# KiCad board sss-opr3-v1 (1).kicad_pcb (continued)
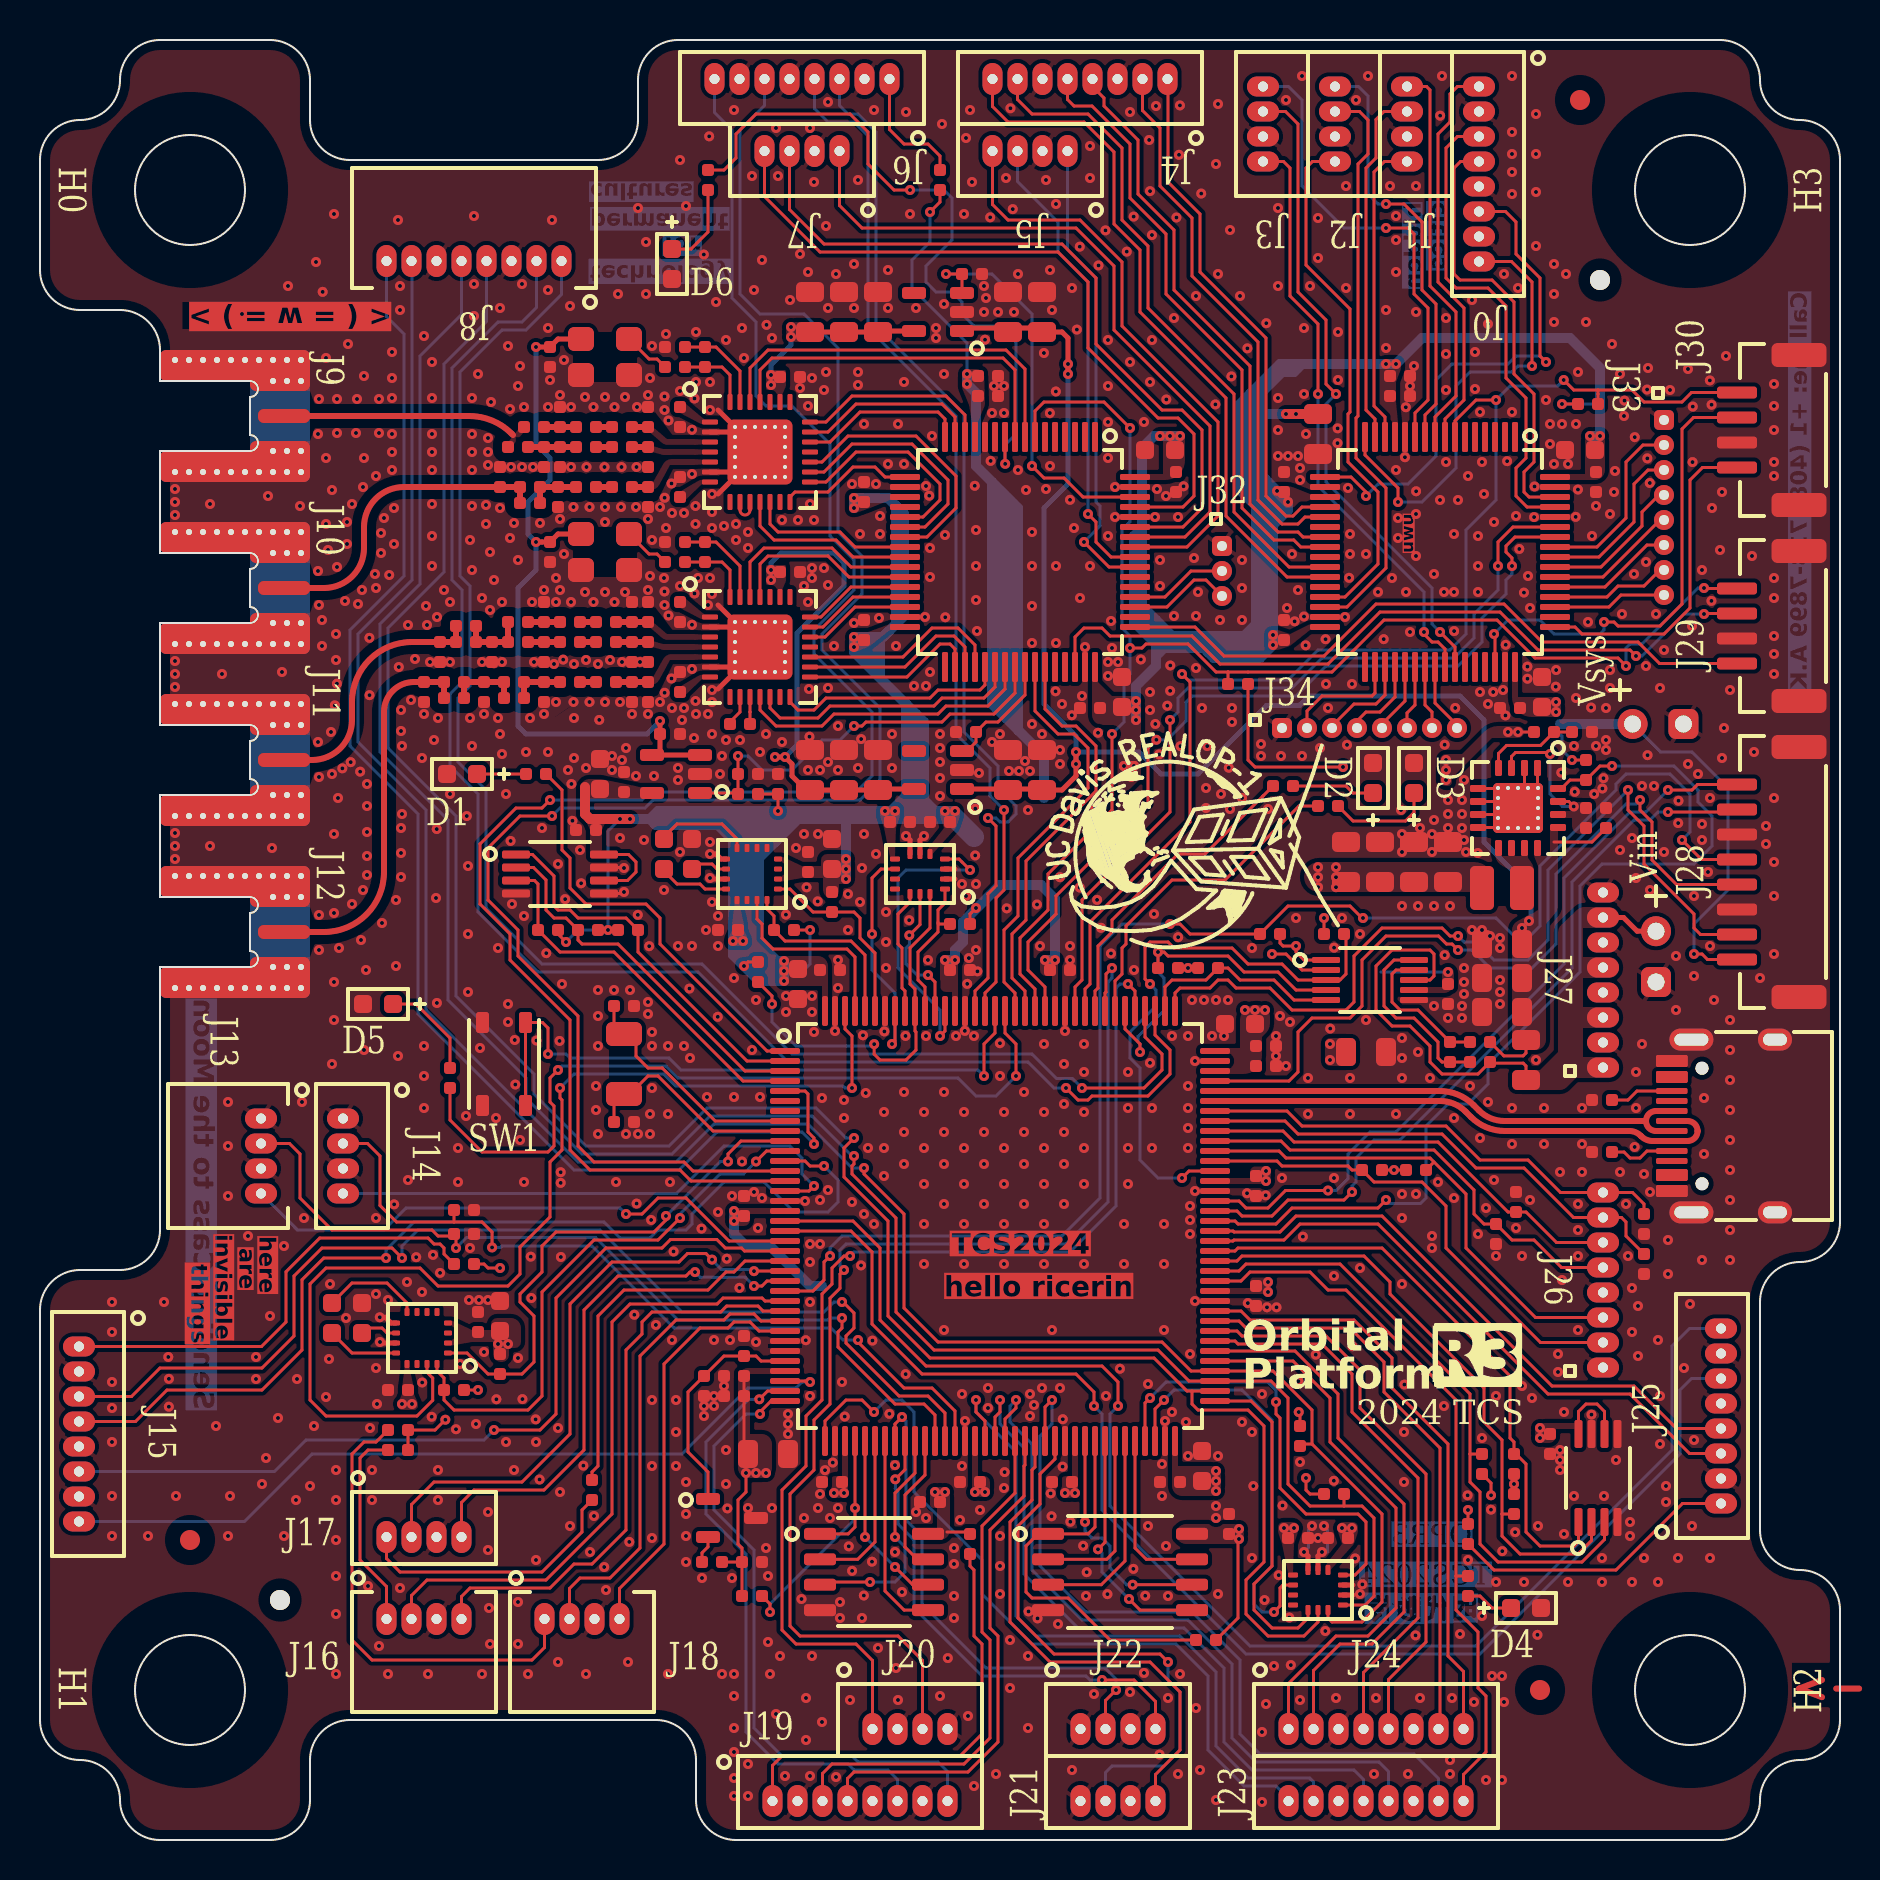
[diagram p0: board, top side]
## Placement (name value [footprint] x y rotation side) (continued)
U6  LP5907MFX-3.3  [Yu-SOT-23-5]  44.9 76.4 180 top
U7  STM32L431RCTx  [Yu-QFP-64-10x10-0.5]  70 64.4 270 top
U8  QMC5883L  [Yu-LGA-16-3x3-0.5]  19.1 25.1 180 top
U9  W25Q128JVS  [Yu-SOP-8-5.23x5.23-1.27]  54 13.4 0 top
U10  AX5043  [Yu-QFN-28-5x5-0.5-EP-3.25x3.25]  36 69.4 0 top
U11  STM32L431RCTx  [Yu-QFP-64-10x10-0.5]  49 64.4 270 top
U12  INA226  [Yu-SOP-10-3x3-0.5]  66.5 43 0 top
U13  AZ431L  [Yu-SOT-23-3]  34.6 16.1 0 top
U14  MB85RS256B  [Yu-SOP-8-5x3.9-1.27]  41.7 13.4 0 top
U15  AX5043  [Yu-QFN-28-5x5-0.5-EP-3.25x3.25]  36 59.65 0 top
U16  LMV321  [Yu-SOT-23-5]  31.8 53.3 180 top
U17  LP5907MFX-3.3  [Yu-SOT-23-5]  44.9 53.5 180 top
U18  TMP275  [Yu-SOP-8-3x3-0.65]  77.9 18.1 90 top
U19  TMP275  [Yu-SOP-8-3x3-0.65]  26 48.3 0 top
Y1  XO3215  [Yu-XO3215]  29.2 38.8 270 top
Y2  26MHz  [Yu-XO3225]  28.25 74.15 0 top
Y3  26MHz  [Yu-XO3225]  28.25 64.4 0 top

## Library data of the parts
C1-C3 C5 C6 C31 C34-C41 C62 C106-C110 = -: Description: Unpolarized capacitor, small symbol; Part: CL21A226MAQNNNE; ki_fp_filters: C_*
C4 C7-C9 C12 C13 C15-C19 C21-C30 C32 C33 C42-C61 C63-C105 C111-C120 = -: Description: Unpolarized capacitor, small symbol; ki_fp_filters: C_*
C10 C11 C14 C20 = -: ki_fp_filters: C_*
D1-D6 = -: Description: LED; ki_fp_filters: D*SMA*
J0-J8 J13-J30 J32-J34 J36 J37 = -: ki_fp_filters: Connector*:*_1x??-1MP*
J9-J12 = -: ki_fp_filters: *BNC* *SMA* *SMB* *SMC* *Cinch* *LEMO* *UMRF* *MCX* *U.FL*
J38 = -: Datasheet: https://www.usb.org/sites/default/files/documents/usb_type-c.zip; Description: USB 2.0-only 16P Type-C Receptacle connector; ki_fp_filters: USB*C*Receptacle*
L1-L3 L5 L6 L9 L10 L12-L23 = -: Description: Inductor, small symbol; ki_fp_filters: Choke_* *Coil* Inductor_* L_*
L4 L8 L11 = -: ki_fp_filters: Choke_* *Coil* Inductor_* L_*
R1-R59 = -: Description: Resistor, small symbol; ki_fp_filters: R_*
SW1 = -: Description: Single Pole Single Throw (SPST) switch
U1 = -: Datasheet: https://www.analog.com/media/en/technical-documentation/data-sheets/ADP2118.pdf; Description: Buck, 2.3 to 5.5 Vin, 3 A, 600 kHz or 1.2 MHz, 0.6 Vfb
U2 = -: Datasheet: https://www.st.com/resource/en/datasheet/stm32l476zg.pdf; Description: MCU, Cortex-M4 80 MHz, 1 MiB flash, 128 kB SRAM; ki_fp_filters: QFN*1EP*7x7mm*P0.5mm*
U3 U5 = -: Description: Sensor, IMU
U4 U8 = -: Description: Sensor, Magnetometer
U6 U17 = -: Datasheet: http://www.ti.com/lit/ds/symlink/lp5907.pdf; Description: 250-mA Ultra-Low-Noise Low-IQ LDO, 3.3V, SOT-23; ki_fp_filters: SOT?23*
U7 U11 = -: Datasheet: https://www.st.com/resource/en/datasheet/stm32l431rc.pdf; Description: MCU, Cortex-M4 80 MHz, 256 kB flash, 64 kB SRAM; ki_fp_filters: QFN*1EP*7x7mm*P0.5mm*
U9 = -: Description: Memory, NAND Flash, QSPI; ki_fp_filters: WSON*1EP*6x5mm*P1.27mm*
U10 U15 = -: Datasheet: https://www.onsemi.com/pub/Collateral/AX5043-D.PDF; Description: Radio, ISM narrowband
U12 = -: Datasheet: https://www.ti.com/lit/ds/symlink/ina226.pdf; Description: Sensor, VI, High/low shunt, Offset ±10 µV max, Gain error 0.1% max
U13 = -: Datasheet: https://www.diodes.com/assets/Datasheets/AZ431L.pdf; Description: Voltage reference, Low voltage Zener, 1.24 V
U14 = -: Description: Memory, FRAM, SPI; ki_fp_filters: WSON*1EP*6x5mm*P1.27mm*
U16 = -: Datasheet: http://www.ti.com/lit/ds/symlink/lmv324.pdf; Description: Opamp, 5V, RRO; ki_fp_filters: SOT?23* *SC*70*
U18 U19 = -: Datasheet: https://www.ti.com/lit/ds/symlink/tmp275.pdf; Description: Sensor, Temperature, Digital I2C, ±0.5°C max from −20°C to 100°C
Y1 = -: ki_fp_filters: Crystal*
Y2 Y3 = -: Description: Oscillator or TCXO, generic; Part: 1XXB26000MAA

## Footprints (pads in the part's own frame, mm; a bottom-side part is the same pattern mirrored in y, then rotated)
fc0a18ba-eec4-4a20-b076-75cbd92b11e0
  round 1 smd: 1(0,0)
Yu-C_0402_mil
  rrect 0.6x0.6 smd: 1(-0.5,0) 2(0.5,0)
Yu-C_0603_mil
  rrect 0.9x0.9 smd: 1(-0.75,0) 2(0.75,0)
Yu-C_0805_mil
  rrect 1x1.4 smd: 1(-1,0) 2(1,0)
Yu-Fudicial-JLCSMT-Tooling
  round 1 hole 1.152 unplated: (0,0)
Yu-JST-GH-SM04B-GHS-TB-1x04-1.25-SMD-H
  rrect 1.2x2.75 smd: 0(-3.75,-1.25) 0(3.75,-1.25)
  rrect 0.6x2 smd: 1(-1.875,1.85) 2(-0.625,1.85) 3(0.625,1.85) 4(1.875,1.85)
Yu-JST-GH-SM08B-GHS-TB-1x08-1.25-SMD-H
  rrect 1.2x2.75 smd: 0(-6.25,-1.25) 0(6.25,-1.25)
  rrect 0.6x2 smd: 1(-4.375,1.85) 2(-3.125,1.85) 3(-1.875,1.85) 4(-0.625,1.85) 5(0.625,1.85) 6(1.875,1.85) 7(3.125,1.85) 8(4.375,1.85)
Yu-L_0402_mil
  rrect 0.6x0.6 smd: 1(-0.5,0) 2(0.5,0)
Yu-L_1008_mil
  rrect 1.2x2.2 smd: 1(-1,0) 2(1,0)
Yu-LED_0603_mil
  rrect 0.9x0.9 smd: 1(-0.75,0) 2(0.75,0)
Yu-LGA-14-3x2.5-0.5
  rrect 0.5x0.25 smd: 1(-1.25,0.75) 2(-1.25,0.25) 3(-1.25,-0.25) 4(-1.25,-0.75) 8(1.25,-0.75) 9(1.25,-0.25) 10(1.25,0.25) 11(1.25,0.75)
  rrect 0.25x0.5 smd: 5(-0.5,-1) 6(0,-1) 7(0.5,-1) 12(0.5,1) 13(0,1) 14(-0.5,1)
Yu-LGA-16-3x3-0.5
  rrect 0.4x0.25 smd: 1(-1.3,0.75) 2(-1.3,0.25) 3(-1.3,-0.25) 4(-1.3,-0.75) 9(1.3,-0.75) 10(1.3,-0.25) 11(1.3,0.25) 12(1.3,0.75)
  rrect 0.25x0.4 smd: 5(-0.75,-1.3) 6(-0.25,-1.3) 7(0.25,-1.3) 8(0.75,-1.3) 13(0.75,1.3) 14(0.25,1.3) 15(-0.25,1.3) 16(-0.75,1.3)
Yu-MMCX-EM
  rrect 2.6x0.7 smd: 1(-1.7,0)
  round 0.7 hole 0.3: 2(-2.55,2.8) 2(-2.55,1.75) 2(-2.55,-1.75) 2(-2.55,-2.8) 2(-1.85,2.8) 2(-1.85,-2.8) 2(-1.85,1.75) 2(-1.85,-1.75) 2(-1.15,2.8) 2(-1.15,1.75) 2(-1.15,-1.75) 2(-1.15,-2.8) 2(-0.45,2.8) 2(-0.45,-2.8) 2(0.25,2.8) 2(0.25,-2.8) 2(0.95,2.8) 2(0.95,-2.8) 2(1.65,2.8) 2(1.65,-2.8) 2(2.35,2.8) 2(2.35,-2.8) 2(3.05,2.8) 2(3.05,-2.8) 2(3.75,2.8) 2(3.75,-2.8)
  rrect 3x2.05 smd: 2(-1.5,2.275) 2(-1.5,-2.275)
  rrect 3x6.6 smd far side: 2(-1.5,0)
  rrect 5x1.55 smd: 2(2,2.525) 2(2,-2.525)
  rrect 5x1.55 smd far side: 2(2,2.525) 2(2,-2.525)
Yu-Molex-Picoblade-530470410-1x04-1.25-THM-V
  oval 1x1.6 hole 0.5: 1(-1.875,-0.45) 2(-0.625,-0.45) 3(0.625,-0.45) 4(1.875,-0.45)
Yu-Molex-Picoblade-530470810-1x08-1.25-THM-V
  oval 1x1.6 hole 0.5: 1(-4.375,-0.45) 2(-3.125,-0.45) 3(-1.875,-0.45) 4(-0.625,-0.45) 5(0.625,-0.45) 6(1.875,-0.45) 7(3.125,-0.45) 8(4.375,-0.45)
Yu-Molex-Picoblade-530480410-1x04-1.25-THM-H
  oval 1x1.6 hole 0.5: 1(-1.875,1.65) 2(-0.625,1.65) 3(0.625,1.65) 4(1.875,1.65)
Yu-Molex-Picoblade-530480810-1x08-1.25-THM-H
  oval 1x1.6 hole 0.5: 1(-4.375,1.65) 2(-3.125,1.65) 3(-1.875,1.65) 4(-0.625,1.65) 5(0.625,1.65) 6(1.875,1.65) 7(3.125,1.65) 8(4.375,1.65)
Yu-Pin-1x02-2.54-1.5-0.85-1
  rrect 1.5x1.5 hole 0.85: 1(0,0)
  round 1.5 hole 0.85: 2(0,-2.54)
Yu-Pin-1x03-1.25-1-0.5-1
  rrect 1x1 hole 0.5: 1(0,0)
  round 1 hole 0.5: 2(0,-1.25) 3(0,-2.5)
Yu-Pin-1x08-1.25-1-0.5-1
  rrect 1x1 hole 0.5: 1(0,0)
  round 1 hole 0.5: 2(0,-1.25) 3(0,-2.5) 4(0,-3.75) 5(0,-5) 6(0,-6.25) 7(0,-7.5) 8(0,-8.75)
Yu-Pin-1x08-1.25-1-0.5-1#2
  rrect 1x1 hole 0.5: 1(0,0)
  round 1 hole 0.5: 2(0,-1.25) 3(0,-2.5) 4(0,-3.75) 5(0,-5) 6(0,-6.25) 7(0,-7.5) 8(0,-8.75)
Yu-QFN-16-4x4-0.65-EP-2.5x2.5
  rrect 2x2 smd: (0,0)
  round 0.5 hole 0.2: 0(-1,1) 0(-1,0.5) 0(-1,0) 0(-1,-0.5) 0(-1,-1) 0(-0.5,1) 0(-0.5,-1) 0(0,1) 0(0,-1) 0(0.5,1) 0(0.5,-1) 0(1,1) 0(1,0.5) 0(1,0) 0(1,-0.5) 0(1,-1)
  rrect 2.5x2.5 smd: 0(0,0)
  rrect 0.8x0.35 smd: 1(-2,0.975) 2(-2,0.325) 3(-2,-0.325) 4(-2,-0.975) 9(2,-0.975) 10(2,-0.325) 11(2,0.325) 12(2,0.975)
  rrect 0.35x0.8 smd: 5(-0.975,-2) 6(-0.325,-2) 7(0.325,-2) 8(0.975,-2) 13(0.975,2) 14(0.325,2) 15(-0.325,2) 16(-0.975,2)
Yu-QFN-28-5x5-0.5-EP-3.25x3.25
  rrect 2.5x2.5 smd: (0,0)
  round 0.5 hole 0.2: 0(-1.25,1.25) 0(-1.25,0.75) 0(-1.25,0.25) 0(-1.25,-0.25) 0(-1.25,-0.75) 0(-1.25,-1.25) 0(-0.75,1.25) 0(-0.75,-1.25) 0(-0.25,1.25) 0(-0.25,-1.25) 0(0.25,1.25) 0(0.25,-1.25) 0(0.75,1.25) 0(0.75,-1.25) 0(1.25,1.25) 0(1.25,0.75) 0(1.25,0.25) 0(1.25,-0.25) 0(1.25,-0.75) 0(1.25,-1.25)
  rrect 3.25x3.25 smd: 0(0,0)
  rrect 0.8x0.25 smd: 1(-2.5,1.5) 2(-2.5,1) 3(-2.5,0.5) 4(-2.5,0) 5(-2.5,-0.5) 6(-2.5,-1) 7(-2.5,-1.5) 15(2.5,-1.5) 16(2.5,-1) 17(2.5,-0.5) 18(2.5,0) 19(2.5,0.5) 20(2.5,1) 21(2.5,1.5)
  rrect 0.25x0.8 smd: 8(-1.5,-2.5) 9(-1,-2.5) 10(-0.5,-2.5) 11(0,-2.5) 12(0.5,-2.5) 13(1,-2.5) 14(1.5,-2.5) 22(1.5,2.5) 23(1,2.5) 24(0.5,2.5) 25(0,2.5) 26(-0.5,2.5) 27(-1,2.5) 28(-1.5,2.5)
Yu-QFP-64-10x10-0.5
  rrect 1.5x0.3 smd: 1(-5.75,3.75) 2(-5.75,3.25) 3(-5.75,2.75) 4(-5.75,2.25) 5(-5.75,1.75) 6(-5.75,1.25) 7(-5.75,0.75) 8(-5.75,0.25) 9(-5.75,-0.25) 10(-5.75,-0.75) 11(-5.75,-1.25) 12(-5.75,-1.75) 13(-5.75,-2.25) 14(-5.75,-2.75) 15(-5.75,-3.25) 16(-5.75,-3.75) 33(5.75,-3.75) 34(5.75,-3.25) 35(5.75,-2.75) 36(5.75,-2.25) 37(5.75,-1.75) 38(5.75,-1.25) 39(5.75,-0.75) 40(5.75,-0.25) 41(5.75,0.25) 42(5.75,0.75) 43(5.75,1.25) 44(5.75,1.75) 45(5.75,2.25) 46(5.75,2.75) 47(5.75,3.25) 48(5.75,3.75)
  rrect 0.3x1.5 smd: 17(-3.75,-5.75) 18(-3.25,-5.75) 19(-2.75,-5.75) 20(-2.25,-5.75) 21(-1.75,-5.75) 22(-1.25,-5.75) 23(-0.75,-5.75) 24(-0.25,-5.75) 25(0.25,-5.75) 26(0.75,-5.75) 27(1.25,-5.75) 28(1.75,-5.75) 29(2.25,-5.75) 30(2.75,-5.75) 31(3.25,-5.75) 32(3.75,-5.75) 49(3.75,5.75) 50(3.25,5.75) 51(2.75,5.75) 52(2.25,5.75) 53(1.75,5.75) 54(1.25,5.75) 55(0.75,5.75) 56(0.25,5.75) 57(-0.25,5.75) 58(-0.75,5.75) 59(-1.25,5.75) 60(-1.75,5.75) 61(-2.25,5.75) 62(-2.75,5.75) 63(-3.25,5.75) 64(-3.75,5.75)
Yu-QFP-144-20x20-0.5
  rrect 1.5x0.3 smd: 1(-10.75,8.75) 2(-10.75,8.25) 3(-10.75,7.75) 4(-10.75,7.25) 5(-10.75,6.75) 6(-10.75,6.25) 7(-10.75,5.75) 8(-10.75,5.25) 9(-10.75,4.75) 10(-10.75,4.25) 11(-10.75,3.75) 12(-10.75,3.25) 13(-10.75,2.75) 14(-10.75,2.25) 15(-10.75,1.75) 16(-10.75,1.25) 17(-10.75,0.75) 18(-10.75,0.25) 19(-10.75,-0.25) 20(-10.75,-0.75) 21(-10.75,-1.25) 22(-10.75,-1.75) 23(-10.75,-2.25) 24(-10.75,-2.75) 25(-10.75,-3.25) 26(-10.75,-3.75) 27(-10.75,-4.25) 28(-10.75,-4.75) 29(-10.75,-5.25) 30(-10.75,-5.75) 31(-10.75,-6.25) 32(-10.75,-6.75) 33(-10.75,-7.25) 34(-10.75,-7.75) 35(-10.75,-8.25) 36(-10.75,-8.75) 73(10.75,-8.75) 74(10.75,-8.25) 75(10.75,-7.75) 76(10.75,-7.25) 77(10.75,-6.75) 78(10.75,-6.25) 79(10.75,-5.75) 80(10.75,-5.25) 81(10.75,-4.75) 82(10.75,-4.25) 83(10.75,-3.75) 84(10.75,-3.25) 85(10.75,-2.75) 86(10.75,-2.25) 87(10.75,-1.75) 88(10.75,-1.25) 89(10.75,-0.75) 90(10.75,-0.25) 91(10.75,0.25) 92(10.75,0.75) 93(10.75,1.25) 94(10.75,1.75) 95(10.75,2.25) 96(10.75,2.75) 97(10.75,3.25) 98(10.75,3.75) 99(10.75,4.25) 100(10.75,4.75) 101(10.75,5.25) 102(10.75,5.75) 103(10.75,6.25) 104(10.75,6.75) 105(10.75,7.25) 106(10.75,7.75) 107(10.75,8.25) 108(10.75,8.75)
  rrect 0.3x1.5 smd: 37(-8.75,-10.75) 38(-8.25,-10.75) 39(-7.75,-10.75) 40(-7.25,-10.75) 41(-6.75,-10.75) 42(-6.25,-10.75) 43(-5.75,-10.75) 44(-5.25,-10.75) 45(-4.75,-10.75) 46(-4.25,-10.75) 47(-3.75,-10.75) 48(-3.25,-10.75) 49(-2.75,-10.75) 50(-2.25,-10.75) 51(-1.75,-10.75) 52(-1.25,-10.75) 53(-0.75,-10.75) 54(-0.25,-10.75) 55(0.25,-10.75) 56(0.75,-10.75) 57(1.25,-10.75) 58(1.75,-10.75) 59(2.25,-10.75) 60(2.75,-10.75) 61(3.25,-10.75) 62(3.75,-10.75) 63(4.25,-10.75) 64(4.75,-10.75) 65(5.25,-10.75) 66(5.75,-10.75) 67(6.25,-10.75) 68(6.75,-10.75) 69(7.25,-10.75) 70(7.75,-10.75) 71(8.25,-10.75) 72(8.75,-10.75) 109(8.75,10.75) 110(8.25,10.75) 111(7.75,10.75) 112(7.25,10.75) 113(6.75,10.75) 114(6.25,10.75) 115(5.75,10.75) 116(5.25,10.75) 117(4.75,10.75) 118(4.25,10.75) 119(3.75,10.75) 120(3.25,10.75) 121(2.75,10.75) 122(2.25,10.75) 123(1.75,10.75) 124(1.25,10.75) 125(0.75,10.75) 126(0.25,10.75) 127(-0.25,10.75) 128(-0.75,10.75) 129(-1.25,10.75) 130(-1.75,10.75) 131(-2.25,10.75) 132(-2.75,10.75) 133(-3.25,10.75) 134(-3.75,10.75) 135(-4.25,10.75) 136(-4.75,10.75) 137(-5.25,10.75) 138(-5.75,10.75) 139(-6.25,10.75) 140(-6.75,10.75) 141(-7.25,10.75) 142(-7.75,10.75) 143(-8.25,10.75) 144(-8.75,10.75)
Yu-R_0402_mil
  rrect 0.6x0.6 smd: 1(-0.5,0) 2(0.5,0)
Yu-R_0805_mil
  rrect 1x1.4 smd: 1(-1,0) 2(1,0)
Yu-SOP-8-3x3-0.65
  rrect 1.4x0.4 smd: 1(-2.2,0.975) 2(-2.2,0.325) 3(-2.2,-0.325) 4(-2.2,-0.975) 5(2.2,-0.975) 6(2.2,-0.325) 7(2.2,0.325) 8(2.2,0.975)
Yu-SOP-8-5.23x5.23-1.27
  rrect 1.6x0.6 smd: 1(-3.6,1.905) 2(-3.6,0.635) 3(-3.6,-0.635) 4(-3.6,-1.905) 5(3.6,-1.905) 6(3.6,-0.635) 7(3.6,0.635) 8(3.6,1.905)
Yu-SOP-8-5x3.9-1.27
  rrect 1.6x0.6 smd: 1(-2.7,1.905) 2(-2.7,0.635) 3(-2.7,-0.635) 4(-2.7,-1.905) 5(2.7,-1.905) 6(2.7,-0.635) 7(2.7,0.635) 8(2.7,1.905)
Yu-SOP-10-3x3-0.5
  rrect 1.4x0.3 smd: 1(-2.2,1) 2(-2.2,0.5) 3(-2.2,0) 4(-2.2,-0.5) 5(-2.2,-1) 6(2.2,-0.5) 7(2.2,-1) 8(2.2,0) 9(2.2,0.5) 10(2.2,1)
Yu-SOT-23-3
  rrect 1.2x0.6 smd: 1(-1.2,0.95) 2(-1.2,-0.95) 3(1.2,0)
Yu-SOT-23-5
  rrect 1.2x0.6 smd: 1(-1.2,0.95) 2(-1.2,0) 3(-1.2,-0.95) 4(1.2,-0.95) 5(1.2,0.95)
Yu-SW-SKRP
  rrect 1.05x0.65 smd: 1(-2.075,1.075) 1(2.075,1.075) 2(-2.075,-1.075) 2(2.075,-1.075)
Yu-USB_C_Receptacle_HRO_TYPE-C-31-M-12
  round 0.65 hole 0.65 unplated: (-2.89,2.6) (2.89,2.6)
  rrect 0.6x1.58 smd: A1(-3.25,4.11) A4(-2.45,4.11) A9(2.45,4.11) A12(3.25,4.11) B1(3.25,4.11) B4(2.45,4.11) B9(-2.45,4.11) B12(-3.25,4.11)
  rrect 0.3x1.58 smd: A5(-1.25,4.11) A6(-0.25,4.11) A7(0.25,4.11) A8(1.25,4.11) B5(1.75,4.11) B6(0.75,4.11) B7(-0.75,4.11) B8(-1.75,4.11)
  oval 1.1x2.2 hole 0.6x1.7: S1(-4.32,3.13) S1(4.32,3.13)
  oval 1.1x1.7 hole 0.6x1.2: S1(-4.32,-1.05) S1(4.32,-1.05)
Yu-XO3215
  rrect 1.2x1.8 smd: 1(-1.5,0) 2(1.5,0)
Yu-XO3225
  rrect 1.3x1.2 smd: 1(-1.2,-0.9) 2(1.2,-0.9) 3(1.2,0.9) 4(-1.2,0.9)

## Nets
/v2v8xo: C30.2 C79.2 C104.2 U16.3 U16.4 Y2.4 Y3.4
/v3v3: C5.1 C6.1 C15.1 C22.1 C23.1 C24.1 C25.1 C26.1 C27.1 C31.1 C33.1 C34.1 C35.1 C36.1 C42.1 C43.1 C44.1 C45.1 C46.1 C47.1 C48.1 C49.1 C50.1 C51.1 C52.1 C53.1 C54.1 C55.1 C56.1 C57.1 C58.1 C61.1 C62.1 C65.1 C66.1 C67.1 C68.1 C69.1 C70.1 C72.1 C73.1 C74.1 C75.1 C76.1 C80.1 C85.1 C102.1 C103.1 C105.1 C111.1 C112.1 C113.1 C114.1 C115.1 C116.1 C117.1 C118.1 C119.1 C120.1 J28.1 J36.2 L1.2 R1.2 R4.2 R8.2 R9.2 R10.2 R11.2 R16.1 R19.2 R21.2 R22.2 R23.2 R24.2 R25.2 R26.2 R27.2 R29.2 R30.2 R31.2 R32.2 R33.2 R34.2 R36.2 R37.2 R38.2 R50.2 R51.2 R52.2 R53.2 R54.2 R55.2 R56.2 R57.2 R58.2 R59.1 U2.17 U2.33 U2.39 U2.52 U2.62 U2.72 U2.84 U2.95 U2.106 U2.108 U2.121 U2.131 U2.144 U3.5 U3.8 U4.2 U4.4 U4.13 U5.5 U5.8 U7.13 U7.19 U7.32 U7.48 U7.64 U8.2 U8.4 U8.13 U9.8 U11.13 U11.19 U11.32 U11.48 U11.64 U12.1 U12.2 U12.6 U14.8 U16.5 U18.6 U18.8 U19.6 U19.8
/v3v3rad0: C37.1 C38.1 C39.1 C71.1 U6.5 U10.23
/v3v3rad1: C81.1 C108.1 C109.1 C110.1 U15.23 U17.5
/vbat: C1.1 C2.1 C3.1 C40.1 C41.1 C106.1 C107.1 R6.2 R14.2 R15.1 U1.12 U1.13 U6.1 U17.1
/vbat-con: J27.1 J27.3 J27.5 J27.7 J37.2 R14.1 R28.1 U12.8
GND: C1.2 C2.2 C3.2 C4.2 C5.2 C6.2 C7.2 C8.2 C10.1 C12.2 C13.1 C14.1 C15.2 C19.2 C21.2 C22.2 C23.2 C24.2 C25.2 C26.2 C27.2 C29.2 C30.1 C31.2 C33.2 C34.2 C35.2 C36.2 C37.2 C38.2 C39.2 C40.2 C41.2 C42.2 C43.2 C44.2 C45.2 C46.2 C47.2 C48.2 C49.2 C50.2 C51.2 C52.2 C53.2 C54.2 C55.2 C56.2 C57.2 C58.2 C59.2 C60.2 C61.2 C62.2 C64.2 C65.2 C66.2 C67.2 C68.2 C69.2 C70.2 C71.2 C72.2 C73.2 C74.2 C75.2 C76.2 C78.2 C79.1 C80.2 C81.2 C82.2 C83.2 C84.2 C85.2 C87.2 C88.2 C91.2 C92.1 C93.2 C95.2 C99.2 C100.2 C101.2 C102.2 C103.2 C104.1 C105.2 C106.2 C107.2 C108.2 C109.2 C110.2 C111.2 C112.2 C113.2 C114.2 C115.2 C116.2 C117.2 C118.2 C119.2 C120.2 D1.1 D2.1 D3.1 D4.1 D5.1 D6.1 J0.2 J0.5 J0.7 J1.3 J2.3 J3.3 J4.3 J4.6 J5.2 J6.2 J6.5 J6.7 J7.2 J8.3 J8.6 J9.2 J10.2 J11.2 J12.2 J13.1 J13.3 J14.1 J14.3 J15.2 J15.5 J15.7 J16.3 J17.3 J18.3 J19.2 J19.5 J19.7 J20.2 J20.4 J21.1 J21.3 J22.1 J22.3 J23.3 J23.6 J24.3 J24.6 J25.2 J25.5 J25.7 J26.1 J26.4 J27.2 J27.4 J27.6 J27.8 J28.0 J28.3 J28.6 J29.0 J29.2 J30.0 J30.2 J32.1 J33.1 J34.1 J36.1 J37.1 J38.A1 J38.A12 J38.B1 J38.B12 J38.S1 L2.2 L9.1 L10.2 L11.2 L12.2 L16.1 L17.2 L20.2 R2.1 R12.2 R13.2 R17.2 R18.1 R20.1 R39.1 R40.1 R41.1 R42.1 R43.1 R44.1 SW1.2 U1.0 U1.1 U1.2 U1.5 U1.6 U1.7 U1.8 U2.16 U2.30 U2.31 U2.38 U2.51 U2.61 U2.71 U2.83 U2.94 U2.107 U2.120 U2.130 U2.138 U2.143 U3.2 U3.3 U3.6 U3.7 U4.9 U4.11 U5.2 U5.3 U5.6 U5.7 U6.2 U7.12 U7.18 U7.31 U7.47 U7.60 U7.63 U8.9 U8.11 U9.4 U10.0 U10.2 U10.6 U11.12 U11.18 U11.31 U11.47 U11.60 U11.63 U12.7 U13.3 U14.4 U15.0 U15.2 U15.6 U16.2 U17.2 U18.4 U18.5 U18.7 U19.4 U19.5 U19.7 Y2.1 Y2.2 Y3.1 Y3.2
/aux0-uart-oprx: J20.3 U2.116
/aux0-uart-optx: J20.1 U2.113
/aux1-gp0: J24.1 U2.77
/aux1-gp1: J24.2 U2.78
/aux1-gp2: J24.4 U2.79
/aux1-gp3: J24.5 U2.80
/aux1-gp4: J24.7 U2.81
/aux1-gp5: J24.8 U2.82
/aux2-gp0: J23.1 U2.37
/aux2-gp1: J23.2 U2.53
/aux2-gp2: J23.4 U2.54
/aux2-gp3: J23.5 U2.55
/aux2-gp4: J23.7 U2.59
/aux2-gp5: J23.8 R47.2 U2.85
/batmon-scl: J17.4 U2.24
/batmon-sda: J17.2 U2.23
/batmon-vsen: R35.1 U2.22
/cam-miso: J8.5 R56.1 U2.75 U3.1
/cam-mosi: J8.7 R55.1 U2.76 U3.14
/cam-ncs: J8.8 U2.5
/cam-oprx: J8.1 U2.112
/cam-optx: J8.2 U2.111
/cam-sck: J8.4 U2.74 U3.13
/en-v2v8xo: R16.2 R17.1 U11.40 U16.1
/en-v3v3rad0: R18.2 U6.3 U11.62
/en-v3v3rad1: R20.2 U11.41 U17.3
/esc-gpio: J21.4 U2.58
/esc-oprx: J22.4 U2.45
/esc-optx: J22.2 U2.44
/esc-pwm: J21.2 U2.60
/fram-miso: U2.42 U14.2
/fram-mosi: U2.43 U14.5
/fram-ncs: R54.1 U2.40 U14.1
/fram-nhold: U2.47 U14.7
/fram-nwp: U2.46 U14.3
/fram-sck: U2.41 U14.6
/imu0-int1: U2.132 U5.4
/imu0-int2: U2.137 U5.9
/imu0-miso: R57.1 U2.134 U5.1
/imu0-mosi: R58.1 U2.135 U5.14
/imu0-ncs: U2.136 U5.12
/imu0-sck: U2.133 U5.13
/imu1-int1: U2.69 U3.4
/imu1-int2: U2.70 U3.9
/imu1-ncs: U2.73 U3.12
/led0: R3.2 U2.1
/led1: R45.2 U2.117
/led2: R46.2 U2.115
/mag0-drdy: U2.141 U4.15
/mag0-scl: R4.1 U2.139 U4.1
/mag0-sda: R9.1 U2.140 U4.16
/mag1-drdy: U2.142 U8.15
/mag1-scl: R10.1 U2.10 U8.1
/mag1-sda: R11.1 U2.11 U8.16
/mcu0-dbgrx: J28.8 U2.93
/mcu0-dbgtx: J28.7 U2.92
/mcu0-nrst: J28.5 R51.1 U2.25
/mcu0-swclk: J28.2 U2.109
/mcu0-swdio: J28.4 U2.105
/mcu01-0rx: U2.125 U11.42
/mcu01-0tx: U2.124 U11.43
/mcu1-dbgrx: J32.2 U11.52
/mcu1-dbgtx: J32.3 U11.51
/mcu1-nrst: J29.4 R50.1 U2.123 U11.7
/mcu1-swclk: J29.1 U11.49
/mcu1-swdio: J29.3 U11.46
/mcu02-0rx: U2.122 U7.58
/mcu02-0tx: U2.119 U7.59
/mcu2-nrst: J30.4 R52.1 U2.118 U7.7
/mcu2-swclk: J30.1 U7.49
/mcu2-swdio: J30.3 U7.46
/mgt-diag-ana-isen: J0.1 U7.8
/mgt-diag-scl: J0.3 U7.61
/mgt-diag-sda: J0.4 U7.62
/mgt-drv0-isen: J1.1 U7.9
/mgt-drv0-pwm0: J1.2 U7.15
/mgt-drv0-pwm1: J1.4 U7.14
/mgt-drv1-isen: J2.1 U7.10
/mgt-drv1-pwm0: J2.2 U7.30
/mgt-drv1-pwm1: J2.4 U7.29
/mgt-drv2-isen: J3.1 U7.11
/mgt-drv2-pwm0: J3.2 U7.42
/mgt-drv2-pwm1: J3.4 U7.41
/mgt-uart-oprx: J0.8 U7.16
/mgt-uart-optx: J0.6 U7.17
/mgtaux0: J4.1 U7.20
/mgtaux1: J4.2 U7.21
/mgtaux2: J4.4 U7.23
/mgtaux3: J4.5 U7.24
/mgtaux4: J4.7 U7.26
/mgtaux5: J4.8 U7.27
/nand-d0: U2.65 U9.5
/nand-d1: U2.66 U9.2
/nand-d2: U2.67 U9.3
/nand-d3: U2.68 U9.7
/nand-ncs: R53.1 U2.64 U9.1
/nand-sck: U2.63 U9.6
/pan0-pd0: J6.6 U2.13
/pan0-pd1: J6.8 U2.14
/pan0-scl: J6.3 U2.129
/pan0-sda: J6.4 U2.128
/pan1-pd0: J15.6 U2.21
/pan1-pd1: J15.8 U2.34
/pan1-scl: J15.3 U2.49
/pan1-sda: J15.4 U2.12
/pan2-pd0: J19.6 U2.35
/pan2-pd1: J19.8 U2.36
/pan2-scl: J19.3 U2.56
/pan2-sda: J19.4 U2.57
/pan3-pd0: J25.6 U2.19
/pan3-pd1: J25.8 U2.18
/pan3-scl: J25.3 U2.89
/pan3-sda: J25.4 U2.90
/pan4-pd0: J16.2 U2.26
/pan4-pd1: J16.4 U2.27
/pan5-pd0: J18.2 U2.28
/pan5-pd1: J18.4 U2.29
/pg-v3v3: R59.2 U1.16 U2.91
/pwr-cam: J26.8 R40.2 U2.102
/pwr-hdd: J26.7 R39.2 U2.101
/pwr-mgt: J26.6 R41.2 U2.100
/pwr-pyro: J26.5 R42.2 U2.99
/pwrdiag-scl: J26.2 R33.1 U2.97
/pwrdiag-sda: J26.3 R34.1 U2.98
/pwrmon-alm: R31.1 U2.96 U12.3
/pwrmon-scl: R29.1 U2.110 U12.5
/pwrmon-sda: R30.1 U2.114 U12.4
/pyro0-fire: J13.2 R44.2 U2.48
/pyro0-isen: J13.4 U2.20
/pyro1-fire: J14.2 R43.2 U2.50
/pyro1-isen: J14.4 U2.15
/rad0-adc1: U10.25 U11.9
/rad0-adc2: U10.26 U11.8
/rad0-ants: U10.21 U11.14
/rad0-data: U10.11 U11.25
/rad0-dclk: U10.12 U11.24
/rad0-irq: U10.19 U11.16
/rad0-miso: U10.16 U11.22
/rad0-mosi: U10.17 U11.23
/rad0-ncs: U10.14 U11.17
/rad0-pamp: U10.20 U11.15
/rad0-sck: U10.15 U11.21
/rad1-adc1: U11.27 U15.25
/rad1-adc2: U11.26 U15.26
/rad1-ants: U11.28 U15.21
/rad1-data: U11.39 U15.11
/rad1-dclk: U11.38 U15.12
/rad1-irq: U11.30 U15.19
/rad1-miso: U11.35 U15.16
/rad1-mosi: U11.36 U15.17
/rad1-ncs: U11.37 U15.14
/rad1-pamp: U11.29 U15.20
/rad1-sck: U11.34 U15.15
/radaux0-gp0: J5.1 U11.55
/radaux0-gp1: J5.3 U11.56
/radaux0-gp2: J5.4 U11.57
/radaux1-gp0: J7.1 U11.58
/radaux1-gp1: J7.3 U11.59
/radaux1-gp2: J7.4 U11.61
/tmp0-alm: R25.1 U2.4 U19.3
/tmp0-scl: R32.1 U2.3 U19.2
/tmp0-sda: R27.1 U2.2 U19.1
/tmp1-alm: R38.1 U2.86 U18.3
/tmp1-scl: R36.1 U2.87 U18.2
/tmp1-sda: R37.1 U2.88 U18.1
/usb-dm: J38.A7 J38.B7 U2.103
/usb-dp: J38.A6 J38.B6 U2.104
Net-(C11-Pad1): C11.1 C14.2 L4.1 L8.1
Net-(C12-Pad1): C12.1 L3.1 L5.1
Net-(C13-Pad2): C9.1 C13.2 L2.1 L6.1
Net-(C17-Pad2): C17.2 L5.2
Net-(C18-Pad2): C18.2 L6.2
Net-(C20-Pad2): C20.2 L8.2
Net-(C21-Pad1): C21.1 U10.7
Net-(C82-Pad1): C82.1 U10.1
Net-(C83-Pad1): C83.1 U15.1
Net-(C84-Pad1): C84.1 U15.7
Net-(C86-Pad1): C86.1 L12.1 L15.1
Net-(C86-Pad2): C86.2 C88.1 C94.1 L13.2 L18.1
Net-(C87-Pad1): C87.1 L13.1 L14.1
Net-(C89-Pad2): C89.2 L14.2
Net-(C90-Pad2): C90.2 L15.2
Net-(C96-Pad2): C96.2 L21.2
Net-(C97-Pad1): C97.1 C99.1 L21.1 L22.1
Net-(C100-Pad1): C97.2 C98.1 C100.1 L22.2 L23.1
Net-(D1-A): D1.2 R3.1
Net-(D2-A): D2.2 R45.1
Net-(D3-A): D3.2 R46.1
Net-(D4-A): D4.2 R47.1
Net-(D5-A): D5.2 R49.1
Net-(D6-A): D6.2 R48.1
Net-(J6-Pin_1): J6.1 R8.1
Net-(J9-In): C9.2 J9.1 L3.2
Net-(J10-In): C10.2 C11.2 J10.1 L4.2
Net-(J11-In): C93.1 C94.2 J11.1 L18.2
Net-(J12-In): C98.2 C101.1 J12.1 L23.2
Net-(J15-Pin_1): J15.1 R21.1
Net-(J16-Pin_1): J16.1 R26.1
Net-(J17-Pin_1): J17.1 R35.2
Net-(J18-Pin_1): J18.1 R24.1
Net-(J19-Pin_1): J19.1 R22.1
Net-(J25-Pin_1): J25.1 R23.1
Net-(J33-Pin_2): J33.2 U7.57
Net-(J33-Pin_3): J33.3 U7.56
Net-(J33-Pin_4): J33.4 U7.55
Net-(J33-Pin_5): J33.5 U7.54
Net-(J33-Pin_6): J33.6 U7.53
Net-(J33-Pin_7): J33.7 U7.52
Net-(J33-Pin_8): J33.8 U7.51
Net-(J34-Pin_2): J34.2 U7.34
Net-(J34-Pin_3): J34.3 U7.35
Net-(J34-Pin_4): J34.4 U7.36
Net-(J34-Pin_5): J34.5 U7.37
Net-(J34-Pin_6): J34.6 U7.38
Net-(J34-Pin_7): J34.7 U7.39
Net-(J34-Pin_8): J34.8 U7.40
Net-(J38-CC1): J38.A5 R12.1
Net-(J38-CC2): J38.B5 R13.1
Net-(L1-Pad1): L1.1 U1.9 U1.10 U1.11
Net-(SW1-A): SW1.1 U2.127
Net-(U1-EN): C4.1 R6.1 U1.3 U1.14 U1.15
Net-(U1-FB): R1.1 R2.2 U1.4
Net-(U2-PC14): C7.1 U2.8 Y1.1
Net-(U2-PC15): C8.1 U2.9 Y1.2
Net-(U2-PG11): R49.2 U2.126
Net-(U4-C1): C19.1 U4.10
Net-(U4-SETC): C16.1 U4.12
Net-(U4-SETP): C16.2 U4.8
Net-(U8-C1): C64.1 U8.10
Net-(U8-SETC): C63.1 U8.12
Net-(U8-SETP): C63.2 U8.8
Net-(U10-ANTN): C18.1 L10.1 U10.4
Net-(U10-ANTP1): C20.1 L11.1 U10.5
Net-(U10-ANTP): C17.1 L9.2 U10.3
Net-(U10-CLK16N): C29.1 R5.2 U10.27
Net-(U10-CLK16P): C28.1 R5.1 U10.28
Net-(U10-L1): U10.9 U10.10
Net-(U11-PC2): R48.2 U11.10
Net-(U12-INN): C32.2 R15.2 U12.9
Net-(U12-INP): C32.1 R28.2 U12.10
Net-(U13-K): R19.1 U13.2
Net-(U13-REF): C59.1 C60.1 U2.32 U13.1
Net-(U15-ANTN): C90.1 C91.1 L17.1 U15.4
Net-(U15-ANTP1): C95.1 C96.1 L20.1 U15.5
Net-(U15-ANTP): C89.1 C92.2 L16.2 U15.3
Net-(U15-CLK16N): C78.1 R7.2 U15.27
Net-(U15-CLK16P): C77.1 R7.1 U15.28
Net-(U15-L1): L19.2 U15.10
Net-(U15-L2): L19.1 U15.9
Net-(Y2-OUT): C28.2 Y2.3
Net-(Y3-OUT): C77.2 Y3.3

Pads without a net: J38 A4 A8 A9 B4 B8 B9; NOREF 1; NOREF#6 1; NOREF#7 1; U2 6 7; U3 10 11; U4 3 5 6 7 14; U5 10 11; U6 4; U7 1 2 3 4 5 6 22 25 28 33 43 44 45 50; U8 3 5 6 7 14; U10 8 13 18 22 24; U11 1 2 3 4 5 6 11 20 33 44 45 50 53 54; U15 8 13 18 22 24; U17 4

## Via types
v1: diameter 0.5, hole 0.2, Top to Bottom, 1814 vias

## Routing (per net, layer and track width the routed paths; a pad name or vN(x,y) marks a point on that pad's centre or on a via; arc(x,y) is an arc through that point)
/v2v8xo: length 37.1
  Top w0.25: Y3.4 25.9,65.3 C79.2 v1(24.8,64.9) ; Y2.4 25.9,75.05 C30.2 v1(24.8,74.65) ; v1(31,55.95) C104.2 31,54.48 30.77,54.25 U16.4 U16.3
  Bottom w0.15: v1(24.8,74.65) 24.7,74.55
  Bottom w0.25: v1(31,55.95) 30.35,55.3 24.3,55.3 23.9,55.7 23.9,62.6 24.8,63.5 v1(24.8,64.9) 24.4,65.3 24.4,66.9 25.5,68 25.5,69.1 24.8,69.8 v1(24.8,74.65)
/v3v3: length 402.4
  Top w0.15: v1(82.7,44.3) 83.1,44.3 83.38,44.03 J28.1 ; R37.2 R36.2 ; R50.2 60.4,54 60.75,53.65 v1(65.15,53.65) ; v1(76.6,54) R59.1 ; R19.2 C42.1 ; C42.1 35.1,14.6 34.9,14.8 34.9,17 35.3,17.4 v1(35.3,18.35) ; C42.1 R54.2 ; v1(73.9,55.4) R1.2 ; R55.2 63,21.33 v1(62.94,21.4) ; 45.35,15.4 46.4,15.4 R22.2 ; v1(59.95,15.05) 59.9,15 59.9,11.1 R53.2 ; 28.2,47.98 29.37,47.98 29.8,48.4 29.8,48.9 29.42,49.28 28.2,49.28 ; v1(23,28.6) 22.4,28.6 22.2,28.8 R21.2 ; v1(26.3,44.9) 25.9,45.3 R25.2 ; v1(61.6,44.3) 62.3,44.3 63.1,43.5 U12.2 ; R30.2 R29.2 ; v1(72.55,17.24) 72.55,17.85 R38.2 ; v1(36.9,51.45) C105.1 R16.1 ; U12.1 63.2,44 62.8,44.4 v1(62.8,44.7) 62.15,44.7 62,44.85 R51.2 ; C62.1 35.2,19.5 C58.1 ; R11.2 v1(21.9,22.5) ; R23.2 v1(71.4,16.5) ; U18.6 78.22,21.43 77.85,21.8 77.3,21.8 76.92,21.43 U18.8 ; v1(76.1,71.8) R52.2 ; v1(44.5,81.4) 45,81.9 R8.2 ; v1(20.27,21.01) 19.75,20.5 R24.2 R26.2 ; R57.2 46.5,46.3 v1(46.8,46.6) ; v1(64.2,46.1) R31.2 ; R58.2 35.4,43.9 v1(35.2,43.7) ; R33.2 R34.2 ; v1(63.3,18.1) 63.3,17.5 63.5,17.3 R56.2 ; R9.2 v1(38.5,45.5)
  Top w0.25: v1(54.8,56.5) 54.25,56.5 C80.1
  Top w0.5: v1(29.5,51.05) 27.5,51.05 27.25,51.3 27.25,52.65 ; C31.1 v1(62.8,71.3) v1(62.3,71.3) ; v1(54.2,53.7) v1(54.7,53.7) 54.56,53.56 v1(54.56,53.16)
  Bottom w0.15: v1(29,51.05) 28.4,50.45 v1(28.4,45.5) 26.9,45.5 v1(26.3,44.9) ; v1(46.35,73.3) 46.35,74.85 43.6,77.6 43.6,79 44.5,79.9 v1(44.5,81.4) ; v1(82.7,44.3) 82.7,45.8 84.4,47.5 84.4,52.6 82.6,54.4 81.03,54.4 J36.2 ; v1(76.6,54) 76.1,54.5 76.1,55.2 76,55.3 ; v1(76.1,71.8) 78,71.8 ; v1(70.4,43.4) 67.05,43.4 ; v1(38.5,45.5) 38.5,43.8 38.15,43.45 v1(37.2,43.45)
  Bottom w0.5: 55.5,60.6 54.8,61.3 54.7,61.3 ; 55.8,60.2 55.8,61 ; 55.8,60.2 56.8,60.2 ; 55.8,60.2 55.8,59.8 ; 55.8,61 56.6,60.2 56.8,60.2 ; 55.8,61 55.1,61.7 55.1,66.2 ; 60.55,72.35 61.1,72.9 ; 60.55,72.35 61.1,71.8 61.1,71.4 ; 60.55,72.35 59.9,71.7 59.9,67.6 60.8,66.7 60.8,60.78 60.22,60.2 60.2,60.2 ; 61.1,72.9 61.1,72.4 ; 61.1,72.9 62,73.8 63.1,73.8 ; J36.2 76,55.8 ; 63.1,73.8 62.7,73.4 62.1,73.4 61.1,72.4 ; 63.1,73.8 v1(67.8,73.8) 69.1,75.1 76.5,75.1 78,73.6 v1(78,70.2) v1(77.5,70.2) ; 30.5,51.05 30.9,51.45 40.3,51.45 ; 30.5,51.05 30.8,50.75 31.3,50.75 ; 30.5,51.05 v1(29,51.05) ; 60.8,60.2 61.2,60.6 61.2,64.5 ; 60.8,60.2 60.2,60.2 ; 60.8,60.2 61.5,60.2 ; 47.6,66.9 48.1,67.4 ; 47.6,66.9 47.6,67.9 ; 47.6,66.9 47.6,56.8 48.3,56.1 ; 55.1,66.2 55.1,65.6 54.7,65.2 54.7,61.3 ; 55.1,66.2 55.1,69.6 55.7,70.2 v1(56,70.2) v1(57,70.2) ; 42,58.2 42,60 42.45,60.45 ; 40.3,51.45 v1(42.25,51.45) 42.4,51.45 ; 40.3,51.45 v1(40.3,48.05) ; 41.2,60.15 v1(40.7,60.15) 40.7,59.4 43.3,56.8 ; 41.2,60.15 41.2,59.1 ; 41.2,60.15 41.6,60.15 ; 58,59.8 58.2,59.6 ; 58,59.8 61.3,59.8 ; 58,59.8 55.8,59.8 ; 58,59.8 57.6,60.2 ; 58.2,59.6 56.2,59.6 55.8,59.2 ; 58.2,59.6 58.4,59.4 ; 56.8,60.2 57.6,60.2 ; 61.1,71.3 v1(62.8,71.3) ; 61.1,71.3 61.1,71.4 ; 61.1,71.3 61.1,68.2 61.24,68.06 61.25,68.06 v1(61.85,67.45) 62.4,66.91 v1(62.4,66.9) 62.4,66.5 61.65,65.75 v1(61.65,59.75) 61,59.1 58.7,59.1 58.4,59.4 ; v1(34.7,31.45) 34.7,30.3 35.3,29.7 36.5,29.7 38.5,27.7 39.1,27.7 ; v1(50.25,44) v1(50.75,44) 50.75,47.05 50.05,47.75 48,47.75 46.15,45.9 46.15,44.9 45.75,44.5 v1(45.75,44) v1(45.25,44) ; 48.95,55.45 50.2,54.2 50.2,52.1 ; 48.95,55.45 48.3,56.1 ; 48.95,55.45 48.9,55.5 48.9,66.6 47.6,67.9 ; 42.45,60.45 42.15,60.15 41.6,60.15 ; 42.45,60.45 42.8,60.8 ; 43.3,52.2 42.55,51.45 42.4,51.45 ; 43.3,52.2 43.3,56.8 ; 43.3,52.2 43.3,51.45 ; 54.7,61.3 54.7,60.9 55.8,59.8 ; 55.8,59.2 55.8,58.7 54.8,57.7 v1(54.8,56.95) v1(54.8,56) ; 55.8,59.2 55.8,59.8 ; 61.1,72.4 61.1,71.4 ; 37.2,43.2 v1(37.2,43.95) 36.85,43.95 35.9,44.9 ; 37.2,43.2 37.1,43.2 35.9,44.4 ; 37.2,43.2 v1(37.2,42.95) 35.95,42.95 34.65,44.25 v1(34.65,44.95) ; 44.2,52 44.2,55.9 43.3,56.8 ; 44.2,52 44.7,51.5 44.7,51.45 ; 44.2,52 44.2,51.7 ; 48.3,56.1 48.7,56.5 ; 42.8,66.7 42.4,67.1 v1(40.7,67.1) v1(40.7,66.6) ; 42.8,66.7 43.2,66.3 43.2,61.2 42.8,60.8 ; 42.8,66.7 42.8,60.8 ; 47.6,67.9 46.8,68.7 46.8,72.35 v1(46.35,72.8) v1(46.35,73.3) ; 58.4,59.4 61,59.4 ; 38,51.05 45.35,51.05 ; 42.4,51.45 43.3,51.45 ; 41.6,60.15 41.6,58.7 ; 43.3,51.45 44.7,51.45 ; 60.2,60.2 57.6,60.2 ; 44.7,51.45 v1(45.75,51.45)